# Altium PCB DigitalLabBoard_Y.PcbDoc (part 2 of 3)
Units mm, origin at the board's own origin, x right, y up, seen from the top; angles counter-clockwise.
Board outline 155 x 105 mm, 2 copper layers (Top Layer, Bottom Layer), stack 1.571 mm thick; 188 components, 184 nets, 771 pads, 878 vias.
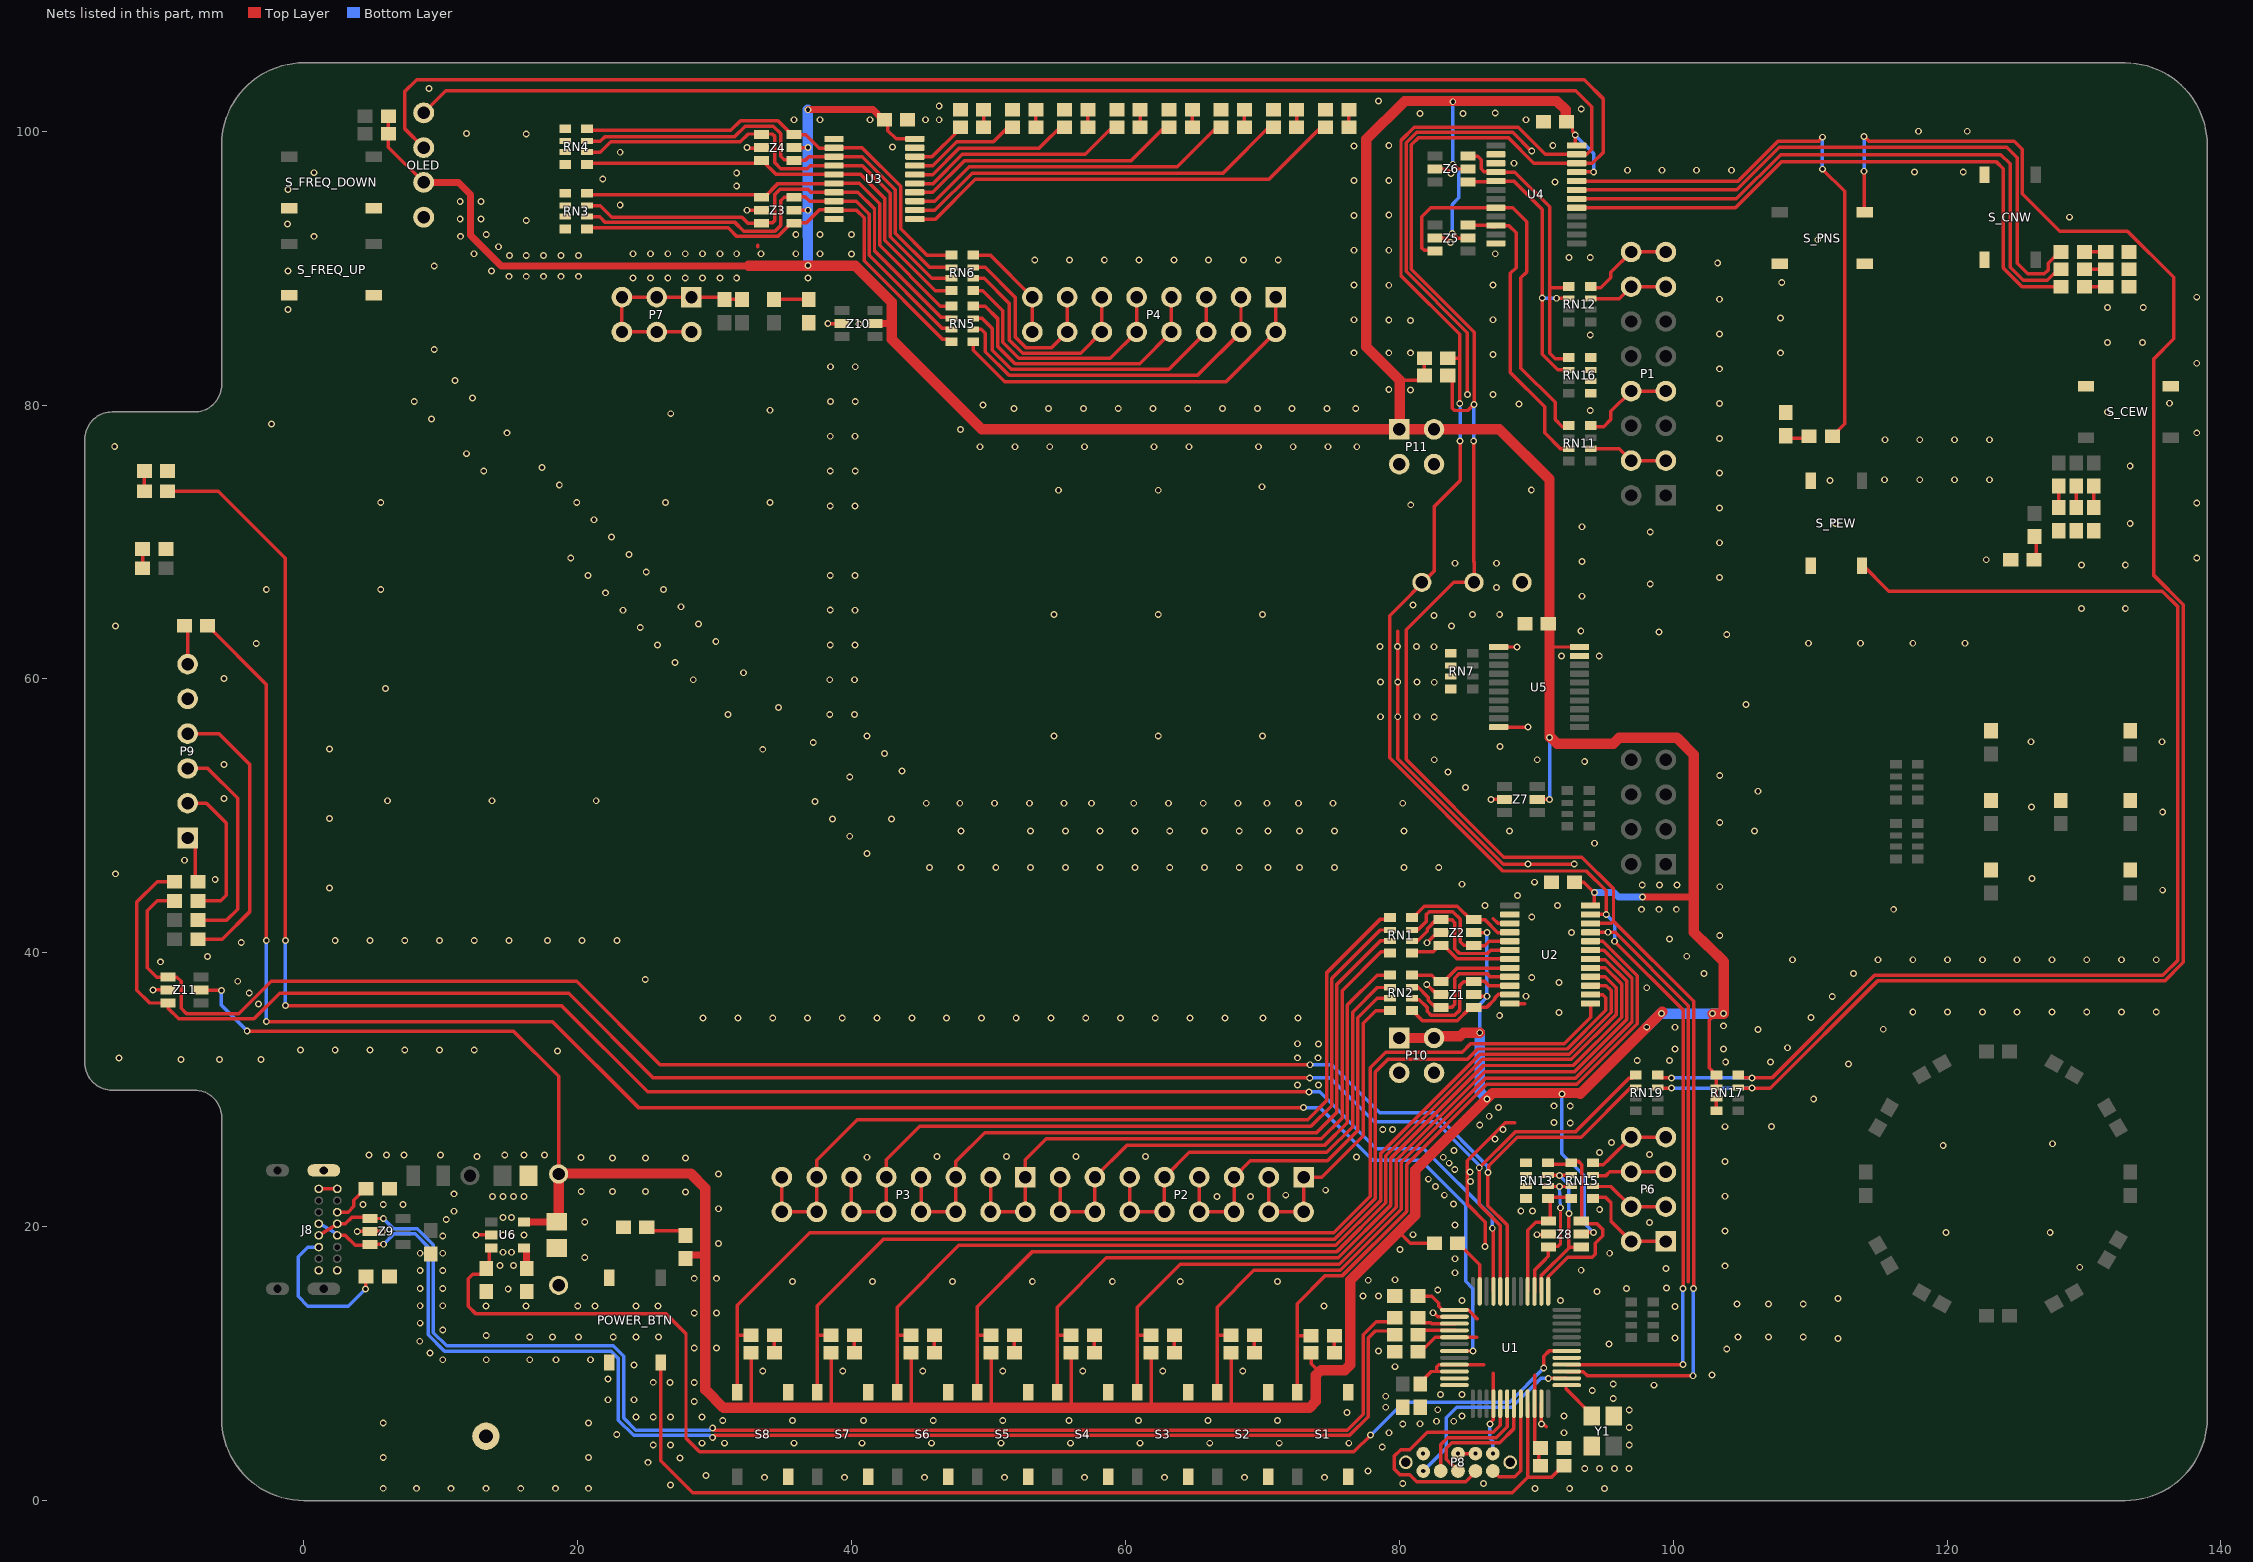
[diagram p2: the nets of this part, all layers, seen from the top]

## Via types
v1: diameter 0.5, hole 0.3, Top Layer to Bottom Layer, tented both sides, 873 vias
v2: diameter 0.5, hole 0.3, Top Layer to Bottom Layer, tented bottom, 5 vias

## Nets (pads, with @x,y where several pads share a name; then routed paths per layer and width w, separated by ;. In a path a pad name is that pad's centre, name@x,y a point inside that pad or via, vN(x,y) a via of type N, cw(c..) or ccw(c..) an arc to the next point about the centre after c; other vN are vias at no path point) (continued)
GND: C1.1 C2.1 C3.1 C4.1 C5.1 C6.1 C7.1 C8.1 C9.1 C10.1 C11.1 C12.1 C13.1 D17.K DIE_LED_A.K DIE_LED_B1.K DIE_LED_B2.K DIE_LED_C1.K DIE_LED_C2.K DIE_LED_D1.K DIE_LED_D2.K J8.A1 J8.A12 J8.B1 J8.B12 J8.P1 LED_0.K LED_1.K LED_2.K LED_3.K LED_4.K LED_5.K LED_6.K LED_7.K N1.1 OLED.1 P8.0 P8.3 P8.5 P8.9 P9.5 P10.3 P10.4 P11.3 P11.4 POWER_BTN.2 POWER_BTN.2b R20.1 R21.1 R22.1 R23.1 R24.1 R25.1 R26.1 R27.1 R29.2 R30.2 R32.2 R35.1 R39.1 R41.1 RN3.1 RN3.2 RN3.3 RN3.4 RN4.1 RN4.2 RN4.3 RN4.4 RN7.1 RN7.2 RN7.3 RN7.4 RN13.1 RN13.2 RN13.3 RN13.4 RN16.5 RN16.6 RN16.7 RN16.8 S1.1 S1.1b S2.1 S2.1b S3.1 S3.1b S4.1 S4.1b S5.1 S5.1b S6.1 S6.1b S7.1 S7.1b S8.1 S8.1b S_CEW.1 S_CEW.1b S_CNW.1 S_CNW.1b S_FREQ_DOWN.2 S_FREQ_DOWN.2b S_FREQ_UP.2 S_FREQ_UP.2b S_PEW.2 S_PEW.2b S_PNS.1 S_PNS.1b TP_Gnd1.1 TP_Gnd2.1 U1.2 U1.11 U1.12 U1.23 U2.2 U2.3 U2.12 U2.21 U3.1 U3.10 U3.19 U4.2 U4.3 U4.12 U5.1 U5.10 U5.19 U6.2 Y1.2 Y1.4 Z1.2 Z2.2 Z3.2 Z4.2 Z5.2 Z6.2 Z7.2 Z8.2 Z9.2 Z10.2 Z11.2 | length 123
  Top Layer w0.254: v1(-11.024,37.287) Z11.2@-9.912,37.287 ; J8.B12@1.086,22.761 J8.A1@2.435,22.761 ; v1(3.897,19.659) Z9.2@4.83,19.659 v1(5.751,19.659) ; v1(12.57,19.405) U6.2@13.523,19.405 ; POWER_BTN.2b@22.316,10.055 POWER_BTN.2b@22.316,10.082 POWER_BTN.2b@22.316,10.182 ; v1@32.523,98.761 Z4.2@33.38,98.761 ; v1@32.535,94.215 Z3.2@33.392,94.215 ; 33.132,91.566 33.132,91.693 ; v1(38.263,85.953) Z10.2@39.298,85.953 ; U3.10@38.267,93.594 U3.10@38.273,93.588 ; 79.898,63.499 79.898,54.185 87.602,46.481 v1(89.406,46.481) v1(92.771,46.481) ; v2(81.729,3.428) P8.9@81.939,3.428 ; v1(82.002,37.693) 82.016,37.693 82.753,36.956 Z1.2@83.021,36.956 ; v1(82.027,40.741) 82.027,40.756 82.753,41.481 Z2.2@83.037,41.481 Z2.2@83.134,41.481 ; v1(82.459,13.715) 82.526,13.715 82.807,13.434 U1.2@84.014,13.434 ; Z5.2@82.553,92.226 Z5.2@82.579,92.252 ; Z5.2@82.58,92.226 Z5.2@82.605,92.201 83.413,92.201 v1(83.729,91.885) ; Z6.2@82.643,97.243 83.452,97.243 v1(83.767,96.927) ; P8.5@84.349,3.419 84.34,3.428 v2(84.288,3.428) v2(85.558,3.428) ; v1(84.974,80.771) 84.974,85.292 80.503,89.763 80.503,99.166 81.26,99.923 88.275,99.923 89.639,98.559 v1(89.673,98.559) ; v1(86.269,18.565) 86.269,20.336 84.948,21.657 84.948,24.812 87.741,27.605 88.446,27.605 ; v1@86.777,51.21 Z7.2@87.673,51.21 ; 86.873,42.484 87.205,42.152 U2.3@88.069,42.152 ; U5.10@87.356,56.485 v1(89.406,56.485) ; U5.1@87.356,62.335 v1(88.592,62.335) ; U2.12@87.619,36.302 87.625,36.296 89.165,36.296 ; v1(90.048,19.416) Z8.2@90.64,19.416 ; U1.23@90.373,7.125 U1.23@90.373,7.075 90.362,5.768 90.739,5.39 ; U2.21@93.969,41.502 95.761,41.502 101.113,36.15 101.113,15.973
  other v1: 5.795,0.894 8.215,0.894 10.755,0.894 13.295,0.894 15.835,0.894 18.375,0.894 20.795,0.894 89.901,0.888 92.441,0.888 94.981,0.888 26.782,1.142 80.249,1.244 86.15,1.244 33.64,1.698 39.482,1.698 45.324,1.698 51.166,1.698 57.008,1.698 62.85,1.698 68.692,1.698 74.534,1.698 29.378,1.825 77.7,2.158 93.543,2.336 94.624,2.336 95.704,2.336 96.785,2.336 25.131,2.793 27.462,3.11 5.795,3.134 20.795,3.134 78.751,3.911 25.512,4.063 26.782,4.063 96.794,4.063 29.068,4.19 30.719,4.19 35.799,4.19 40.752,4.19 45.832,4.19 50.912,4.19 55.992,4.19 61.072,4.19 66.152,4.19 71.232,4.19 76.312,4.19 22.845,4.825 79.253,4.952 92.035,4.952 96.794,5.333 80.249,5.587 90.384,5.587 81.512,5.612 5.795,5.674 20.795,5.674 82.728,5.791 83.972,5.791 30.592,5.841 35.672,5.841 40.879,5.841 45.959,5.841 51.039,5.841 55.865,5.841 60.949,5.841 66.025,5.841 71.105,5.841 24.242,6.095 25.512,6.095 26.782,6.095 29.068,6.095 84.584,6.179 92.021,6.179 76.189,6.443 96.794,6.603 82.804,6.629 79.008,6.815 28.509,7.238 22.21,7.365 24.115,7.365 95.62,7.444 79.008,7.619 83.018,7.746 84.567,7.746 94.092,8.026 98.603,8.425 95.62,8.515 26.731,8.61 28.509,8.61 25.512,8.635 22.21,8.889 102.845,9.174 33.513,9.453 39.355,9.453 45.197,9.453 51.039,9.453 56.881,9.453 62.723,9.453 68.565,9.453 79.679,9.776 24.115,9.905 10.145,10.286 13.32,10.286 16.495,10.286 18.4,10.286 20.94,10.286 9.22,10.77 78.471,10.925 103.911,11.075 28.509,11.15 30.135,11.15 95.312,11.429 8.458,11.633 112.039,11.835 100.127,11.87 16.495,11.937 18.146,11.937 20.051,11.937 22.591,11.937 24.242,11.937 25.893,11.937 104.724,11.938 106.959,11.937 109.499,11.937 13.32,12.064 10.145,12.445 8.494,12.953 28.509,13.69 30.135,13.69 100.127,14.183 13.295,14.198 16.223,14.198 20,14.198 21.27,14.198 24.242,14.198 25.868,14.198 74.509,14.207 8.494,14.223 10.145,14.223 104.673,14.35 106.959,14.35 109.499,14.35 84.584,14.604 91.781,14.604 112.039,14.756 77.352,14.934 78.471,14.934 94.44,15.275 82.807,15.37 14.92,15.46 96.578,15.476 8.494,15.493 10.145,15.493 99.515,15.519 35.672,16.001 41.514,16.001 47.356,16.001 53.198,16.001 59.04,16.001 63.998,16.001 71.105,16.001 77.733,16.091 79.679,16.128 28.509,16.23 30.135,16.23 84.073,16.638 8.494,16.81 10.145,16.81 93.282,16.823 99.466,16.946 129.692,17.042 14.311,17.156 15.301,17.156 103.784,17.144 84.073,17.658 20.508,17.754 8.494,18.058 10.145,18.058 95.363,18.058 14.539,18.135 15.174,18.135 80.046,18.338 30.287,18.77 10.145,19.328 14.539,19.405 15.174,19.405 16.063,19.405 81.001,19.416 119.913,19.582 127.533,19.582 103.784,19.684 84.073,20.123 98.277,20.315 20.508,20.355 10.399,20.525 14.539,20.675 15.174,20.675 10.965,21.132 88.873,21.157 89.723,21.157 94.633,21.255 30.287,21.31 4.329,21.627 5.795,21.627 7.23,21.627 83.947,21.666 13.777,22.199 14.539,22.199 15.301,22.199 16.063,22.199 66.69,22.218 69.121,22.218 103.784,22.224 71.704,22.301 83.287,22.301 10.965,22.402 27.874,22.541 20.254,22.58 22.54,22.58 24.953,22.58 74.622,22.666 98.277,22.666 82.652,22.936 85.2,23.292 82.118,23.47 30.287,23.85 85.166,24.002 84.049,24.181 83.642,24.638 103.784,24.764 22.53,25.019 24.943,25.019 27.864,25.019 20.229,25.043 41.118,25.071 83.21,25.07 76.86,25.095 12.634,25.12 46.228,25.122 51.308,25.122 56.388,25.122 61.468,25.122 4.76,25.247 6.03,25.247 7.3,25.247 9.967,25.247 14.666,25.247 16.063,25.247 17.577,25.247 98.277,25.285 94.626,25.424 83.998,25.552 119.719,25.932 127.695,26.059 95.488,26.161 86.976,26.416 78.791,27.102 79.502,27.102 87.567,27.102 103.784,27.304 107.188,27.305 85.873,27.419 92.481,27.584 91.298,27.609 86.563,28.067 87.249,28.702 92.481,28.804 91.298,28.828 110.261,29.336 72.568,30.353 74.092,30.353 112.801,31.876 103.835,32.029 107.1,32.029 97.373,32.13 99.72,32.13 -8.966,32.207 -6.172,32.207 -3.124,32.207 -13.513,32.309 72.568,32.334 74.066,32.334 18.517,32.842 -0.254,32.893 2.286,32.893 4.826,32.893 7.366,32.893 9.906,32.893 12.446,32.893 100.127,32.977 103.683,32.977 108.356,33.071 72.568,33.358 74.092,33.35 106.197,34.389 115.341,34.416 100.127,34.569 103.683,34.671 29.159,35.23 31.699,35.23 34.239,35.23 36.779,35.23 39.319,35.23 41.859,35.23 44.399,35.23 46.939,35.23 49.479,35.23 52.019,35.23 54.559,35.23 57.099,35.23 59.639,35.23 62.179,35.23 64.719,35.23 67.259,35.23 70.053,35.23 72.593,35.23 110.058,35.281 87.33,35.427 91.658,35.655 117.5,35.686 120.04,35.686 122.58,35.686 125.12,35.686 127.66,35.686 130.2,35.686 132.74,35.686 135.28,35.686 -3.302,36.271 89.243,36.829 111.619,36.818 -3.988,37.059 98.07,37.453 91.654,37.845 -4.826,37.922 24.929,38.05 89.673,38.201 102.26,38.48 113.176,38.48 -10.465,39.345 108.712,39.496 114.96,39.496 117.5,39.496 120.04,39.496 122.58,39.496 125.12,39.496 127.66,39.496 130.2,39.496 132.74,39.496 135.28,39.496 -7.035,39.726 100.99,39.75 -4.572,40.762 2.286,40.894 4.826,40.894 7.366,40.894 9.906,40.894 12.446,40.894 14.986,40.894 17.78,40.894 20.32,40.894 22.86,40.894 99.72,41.02 103.403,41.274 92.569,41.477 95.235,41.503 89.673,42.62 97.688,43.179 98.958,43.179 100.228,43.179 116.103,43.179 86.269,43.458 91.553,43.452 88.631,44.195 135.748,44.576 1.88,44.729 103.403,44.83 97.739,44.957 99.009,44.957 100.279,44.957 84.567,45.006 89.876,45.16 -6.477,45.364 126.212,45.44 -13.767,45.771 45.696,46.227 47.991,46.227 50.531,46.227 53.071,46.227 55.611,46.227 58.151,46.227 60.691,46.227 63.231,46.227 65.771,46.227 68.311,46.227 70.419,46.227 72.717,46.227 75.257,46.227 80.337,46.227 82.877,46.227 -8.712,46.761 41.133,47.243 94.245,48.005 39.863,48.513 47.991,48.894 53.071,48.894 55.611,48.894 58.151,48.894 60.691,48.894 63.231,48.894 65.771,48.894 68.311,48.894 70.419,48.894 72.717,48.894 75.257,48.894 80.337,48.894 88.047,48.894 105.943,48.894 103.403,49.529 38.593,49.783 42.911,49.783 1.88,49.809 135.748,50.291 126.162,50.647 45.451,50.926 47.903,50.926 50.443,50.926 52.983,50.926 55.523,50.926 57.531,50.927 60.603,50.926 63.143,50.926 65.683,50.926 68.223,50.926 70.331,50.926 72.629,50.926 75.169,50.926 80.249,50.926 37.323,51.053 6.107,51.104 13.727,51.104 21.347,51.104 86.701,51.205 -5.842,51.283 106.197,51.801 84.821,52.069 39.863,52.831 103.403,52.958 83.551,53.212 43.673,53.288 -5.842,53.748 93.537,53.963 82.553,54.101 90.073,54.101 42.403,54.558 33.513,54.863 1.88,54.889 87.356,55.074 37.196,55.371 126.136,55.417 135.709,55.417 41.133,55.828 54.773,55.828 62.393,55.828 70.013,55.828 82.553,57.219 78.616,57.24 79.886,57.24 81.283,57.24 30.973,57.403 40.208,57.404 38.405,57.416 34.656,57.911 105.308,58.124 5.969,59.309 82.553,59.759 78.616,59.78 79.886,59.78 81.283,59.78 28.433,59.943 38.405,59.944 40.208,59.944 -5.842,60.046 32.116,60.451 27.107,61.213 91.831,61.685 94.602,61.685 82.535,62.356 78.598,62.377 79.868,62.377 81.265,62.377 25.837,62.483 38.441,62.483 40.244,62.483 -3.48,62.586 109.88,62.61 113.69,62.61 117.5,62.61 121.31,62.61 30.084,62.737 103.911,63.245 98.958,63.424 93.255,63.499 24.567,63.753 -13.767,63.881 83.805,63.88 28.814,64.007 82.535,64.642 54.773,64.718 62.393,64.718 70.013,64.718 85.355,64.718 87.33,64.718 23.297,65.023 38.441,65.035 40.244,65.023 129.819,65.15 133.02,65.15 27.544,65.277 81.011,65.404 93.33,66.039 22.027,66.293 -2.743,66.547 5.613,66.547 26.274,66.547 87.107,66.674 98.323,66.928 103.378,67.411 20.757,67.563 38.441,67.563 40.244,67.563 25.004,67.817 129.819,68.325 133.02,68.325 84.059,68.452 87.107,68.452 93.33,68.579 122.864,68.706 19.487,68.833 138.237,68.833 23.734,69.087 103.378,69.951 22.464,70.357 98.323,70.738 93.33,71.119 111.861,71.348 133.375,71.348 21.194,71.627 103.378,72.491 38.441,72.643 40.244,72.643 80.833,72.719 138.237,72.858 5.613,72.898 19.924,72.897 26.41,72.897 34.03,72.897 55.103,73.786 62.393,73.786 89.639,73.789 69.962,74.04 18.654,74.167 111.455,74.497 115.43,74.548 118.008,74.548 120.548,74.548 123.088,74.548 103.378,75.031 13.137,75.183 38.441,75.183 40.27,75.183 17.384,75.437 133.375,75.564 11.867,76.453 49.388,76.961 51.928,76.961 54.468,76.961 57.008,76.961 62.088,76.961 64.628,76.961 69.708,76.961 72.248,76.961 74.788,76.961 76.896,76.961 -13.818,76.987 115.468,77.469 118.008,77.469 120.548,77.469 123.088,77.469 103.378,77.571 38.441,77.723 40.244,77.723 14.844,77.977 138.237,77.977 47.942,78.231 -2.362,78.613 9.327,78.993 26.791,79.374 131.724,79.501 93.94,79.607 34.03,79.628 51.852,79.755 54.392,79.755 56.932,79.755 59.472,79.755 62.012,79.755 64.552,79.755 67.092,79.755 69.632,79.755 72.172,79.755 74.712,79.755 76.82,79.755 49.589,80.009 88.737,80.08 103.378,80.111 136.248,80.136 8.057,80.263 38.466,80.263 40.27,80.263 12.304,80.517 86.853,80.771 80.808,81.101 79.233,81.131 11.034,81.787 103.378,82.651 38.466,82.803 40.27,82.803 138.237,83.057 86.853,83.692 76.693,83.819 79.233,83.819 80.808,83.819 107.848,83.819 9.521,84.073 131.724,84.581 134.264,84.581 93.94,85.111 103.378,85.191 40.549,85.927 80.808,86.181 79.233,86.211 76.693,86.232 86.853,86.232 107.848,86.359 -1.158,86.994 131.724,87.121 134.33,87.121 103.378,87.731 138.237,87.883 79.233,88.751 76.693,88.772 86.853,88.772 107.925,88.95 24.039,89.28 25.309,89.28 26.579,89.28 27.849,89.28 29.119,89.28 30.389,89.28 31.608,89.28 36.815,89.28 14.971,89.407 16.241,89.407 17.511,89.407 18.781,89.407 20.051,89.407 -1.158,89.788 13.701,89.788 9.521,90.169 103.251,90.372 53.376,90.586 55.916,90.586 58.456,90.586 60.996,90.586 63.536,90.586 66.076,90.586 68.616,90.586 71.156,90.586 92.38,90.779 93.94,90.779 15.004,90.929 16.241,90.931 17.511,90.931 18.781,90.931 20.051,90.931 39.99,91.037 12.431,91.058 24.039,91.058 25.309,91.058 26.579,91.058 27.849,91.058 29.119,91.058 30.389,91.058 31.608,91.058 33.386,91.058 35.926,91.058 37.704,91.058 87.006,91.058 76.693,91.312 79.233,91.312 14.209,91.566 110.558,92.077 0.747,92.328 11.441,92.328 13.32,92.455 35.926,92.455 37.704,92.455 39.99,92.455 -1.188,93.217 16.241,93.471 11.415,93.598 12.939,93.598 128.956,93.725 76.693,93.852 79.233,93.873 32.37,94.233 23.099,94.614 11.415,94.868 12.939,94.868 -1.158,95.742 31.608,96.011 91.362,96.29 76.693,96.392 79.233,96.413 21.829,96.519 31.608,96.946 0.747,96.974 117.627,97.027 121.183,97.015 96.672,97.152 99.172,97.154 101.712,97.154 104.252,97.154 88.377,97.663 23.099,98.47 32.37,98.805 42.987,98.856 76.693,98.932 79.233,98.953 91.21,98.965 16.241,99.799 11.867,99.836 117.917,99.999 121.473,99.999 35.799,100.837 37.704,100.837 41.336,100.837 45.404,100.837 46.397,100.837 89.258,100.837 81.519,101.286 84.643,101.294 87.006,101.345 93.285,101.635 46.397,101.853 78.471,102.209 9.129,103.123
LED_D0: R11.2 U3.11 | length 33.1
  Top Layer w0.254: U3.11@44.39,93.582 46.124,93.582 49.031,96.489 70.48,96.489 R11.2@74.573,100.583
LED_D1: R12.2 U3.12 | length 29
  Top Layer w0.254: U3.12@44.39,94.232 46.084,94.232 48.798,96.946 67.127,96.946 R12.2@70.763,100.583
LED_D2: R13.2 U3.13 | length 25.1
  Top Layer w0.254: U3.13@44.185,94.894 U3.13@44.617,94.894 46.074,94.894 48.584,97.404 63.774,97.404 R13.2@66.953,100.583
LED_D3: R14.2 U3.14 | length 20.6
  Top Layer w0.254: U3.14@44.644,95.532 45.936,95.532 48.265,97.861 60.421,97.861 R14.2@63.143,100.583
LED_D4: R15.2 U3.15 | length 16.5
  Top Layer w0.254: U3.15@44.644,96.182 45.951,96.182 48.087,98.318 57.068,98.318 R15.2@59.333,100.583
LED_D5: R16.2 U3.16 | length 12.4
  Top Layer w0.254: U3.16@44.644,96.832 45.915,96.832 47.858,98.775 53.716,98.775 R16.2@55.523,100.583
LED_D6: R17.2 U3.17 | length 8.4
  Top Layer w0.254: U3.17@44.644,97.482 45.915,97.482 47.665,99.232 50.363,99.232 R17.2@51.713,100.583
LED_D7: R18.2 U3.18 | length 4.3
  Top Layer w0.254: U3.18@44.644,98.132 45.869,98.132 47.74,100.003 47.74,100.101 R18.2@47.942,100.303
LED_I0: P4.1 P4.2 RN5.5 | length 27.6
  Top Layer w0.254: RN5.5@48.893,84.627 48.893,84.005 51.187,81.711 67.346,81.711 P4.2@70.978,85.343 70.978,87.629 P4.1@70.851,87.756
LED_I1: P4.3 P4.4 RN5.6 | length 25.5
  Top Layer w0.254: RN5.6@48.893,85.527 49.482,85.527 49.758,85.251 49.758,83.906 51.496,82.168 65.263,82.168 P4.4@68.438,85.343 68.438,87.629 P4.3@68.311,87.756
LED_I2: P4.5 P4.6 RN5.7 | length 23.1
  Top Layer w0.254: RN5.7@48.893,86.327 49.544,86.327 50.277,85.594 50.277,83.997 51.649,82.625 63.18,82.625 P4.6@65.898,85.343 65.898,87.629 P4.5@65.771,87.756
LED_I3: P4.7 P4.8 RN5.8 | length 20.6
  Top Layer w0.254: RN5.8@48.893,87.227 48.913,87.206 48.934,87.227 49.758,87.227 50.658,86.327 50.658,84.309 51.935,83.032 61.047,83.032 P4.8@63.358,85.343 P4.7@63.358,87.629
LED_I4: P4.9 P4.10 RN6.5 | length 18.6
  Top Layer w0.254: RN6.5@48.893,88.361 49.581,88.361 51.039,86.903 51.039,84.581 52.208,83.413 58.888,83.413 P4.10@60.818,85.343 60.818,87.629 P4.9@60.691,87.756
LED_I5: P4.11 P4.12 RN6.6 | length 16.3
  Top Layer w0.254: RN6.6@48.893,89.261 49.675,89.261 51.496,87.439 51.496,84.784 52.487,83.794 56.729,83.794 P4.12@58.278,85.343 P4.11@58.278,87.756
LED_I6: P4.13 P4.14 RN6.7 | length 13.9
  Top Layer w0.254: RN6.7@48.893,90.061 49.75,90.061 51.935,87.876 51.935,84.98 52.741,84.175 54.57,84.175 P4.14@55.738,85.343 55.738,87.629 P4.13@55.611,87.756
LED_I7: P4.15 P4.16 RN6.8 | length 8.4
  Top Layer w0.254: RN6.8@48.613,91.037 RN6.8@48.893,91.037 ; RN6.8@48.893,90.961 50.12,90.961 P4.15@53.198,87.883 P4.16@53.198,85.343
LED_IR0: RN3.5 RN5.4 U3.9 Z3.4 | length 33.2
  Top Layer w0.254: RN3.5@20.757,92.957 30.979,92.957 31.619,92.318 34.61,92.318 35.594,93.301 36.696,93.301 37.646,94.251 38.92,94.251 38.928,94.244 40.36,94.244 40.911,93.693 40.911,90.544 46.63,84.825 RN5.4@47.095,84.825
LED_IR1: RN3.6 RN5.3 U3.8 Z3.6 | length 34.5
  Top Layer w0.254: RN3.6@20.757,93.757 21.594,93.757 22.013,93.338 31.487,93.338 32.121,92.704 34.405,92.704 34.822,93.121 34.822,94.926 35.083,95.187 35.804,95.187 35.819,95.201 36.62,95.201 36.941,94.881 U3.8@38.549,94.881 ; U3.8@38.803,94.881 38.817,94.894 40.345,94.894 41.292,93.947 41.292,90.931 46.598,85.625 RN5.3@47.195,85.625
LED_IR2: RN3.7 RN5.2 U3.7 Z3.3 | length 34.3
  Top Layer w0.254: RN3.7@20.757,94.557 21.632,94.557 22.47,93.719 31.995,93.719 32.416,93.298 Z3.3@33.177,93.298 ; Z3.3@33.419,93.301 34.206,93.301 34.402,93.498 34.402,95.403 34.78,95.78 36.798,95.78 37.048,95.531 U3.7@38.449,95.531 ; U3.7@38.703,95.531 U3.7@38.717,95.544 ; U3.7@38.817,95.544 40.457,95.544 41.673,94.328 41.673,91.28 46.528,86.425 47.195,86.425 RN5.2@47.293,86.327
LED_IR3: RN3.8 RN5.1 U3.6 Z3.1 | length 31.9
  Top Layer w0.254: RN3.8@20.757,95.357 Z3.1@33.234,95.357 ; Z3.1@33.488,95.357 33.644,95.201 34.624,96.182 U3.6@38.45,96.182 ; U3.6@38.704,96.182 U3.6@38.717,96.194 ; U3.6@38.817,96.194 40.569,96.194 42.054,94.709 42.054,91.661 46.487,87.228 RN5.1@47.293,87.227 RN5.1@47.293,87.227
LED_IR4: RN4.5 RN6.4 U3.5 Z4.3 | length 32.2
  Top Layer w0.254: RN4.5@20.757,97.67 32.835,97.67 ; Z4.3@33.089,97.67 33.315,97.896 Z4.3@33.431,97.896 ; Z4.3@33.431,97.899 Z4.3@33.431,97.896 ; Z4.3@33.756,97.896 Z4.3@33.431,97.896 ; U3.5@38.463,96.844 34.483,96.844 Z4.3@33.431,97.896 ; U3.5@38.717,96.844 40.681,96.844 42.435,95.09 42.435,92.042 46.116,88.361 RN6.4@47.293,88.361
LED_IR5: RN4.6 RN6.3 U3.4 Z4.1 | length 34.4
  Top Layer w0.254: RN4.6@20.757,98.47 21.647,98.47 22.411,99.234 31.881,99.234 32.446,99.799 34.218,99.799 34.402,99.615 34.402,97.708 34.834,97.276 36.766,97.276 36.984,97.494 U3.4@38.463,97.494 ; U3.4@38.717,97.494 40.793,97.494 42.816,95.471 42.816,92.296 45.851,89.261 RN6.3@47.293,89.261
LED_IR6: RN4.7 RN6.2 U3.3 Z4.4 | length 33.9
  Top Layer w0.254: RN4.7@20.757,99.27 21.656,99.27 22.001,99.615 31.457,99.615 32.22,100.378 34.292,100.378 34.834,99.836 34.834,98.175 35.095,97.914 35.817,97.914 35.831,97.899 36.632,97.899 36.877,98.144 U3.3@38.463,98.144 ; U3.3@38.817,98.144 40.778,98.144 43.197,95.725 43.197,92.55 45.686,90.061 RN6.2@47.293,90.061
LED_IR7: RN4.8 RN6.1 U3.2 Z4.6 | length 32.5
  Top Layer w0.254: RN4.8@20.757,100.07 31.18,100.07 31.889,100.78 34.625,100.78 Z4.6@35.606,99.799 ; Z4.6@35.805,99.755 36.653,99.755 37.634,98.773 38.696,98.773 U3.2@38.717,98.794 40.763,98.794 43.578,95.979 43.578,92.869 45.486,90.961 RN6.1@47.293,90.961
NetC12_2: C12.2 U6.4 | length 1.7
  Top Layer w0.508: U6.4@16.27,18.455 C12.2@16.27,16.953 16.27,16.746 C12.2@16.278,16.738
NetC14_1: C14.1 P7.1 P7.2 P7.3 P7.4 P7.5 P7.6 R36.1 | length 17
  Top Layer w0.254: P7.5@23.297,87.883 P7.5@23.531,87.883 ; P7.5@23.649,87.794 P7.5@23.649,87.844 ; P7.2@28.611,85.343 P7.2@28.306,85.343 P7.4@25.766,85.343 P7.6@23.226,85.343 23.226,87.489 23.62,87.883 P7.3@25.766,87.883 P7.1@28.306,87.883 C14.1@30.846,87.883 ; C14.1@30.592,87.717 C14.1@30.846,87.717 ; C14.1@30.719,87.717 R36.1@31.862,87.717
NetD1_A: D1.A R10.1 | length 1.5
  Top Layer w0.254: R10.1@75.257,10.52 D1.A@75.257,12.044
NetD2_A: D2.A R9.1 | length 1.5
  Top Layer w0.254: R9.1@69.415,10.54 D2.A@69.415,12.064
NetD3_A: D3.A R8.1 | length 1.5
  Top Layer w0.254: R8.1@63.573,10.54 D3.A@63.573,12.064
NetD4_A: D4.A R7.1 | length 1.5
  Top Layer w0.254: R7.1@57.731,10.54 D4.A@57.731,12.064
NetD5_A: D5.A R6.1 | length 1.5
  Top Layer w0.254: R6.1@51.889,10.54 D5.A@51.889,12.064
NetD6_A: D6.A R5.1 | length 1.5
  Top Layer w0.254: R5.1@46.047,10.523 D6.A@46.047,12.064
NetD7_A: D7.A R4.1 | length 1.5
  Top Layer w0.254: R4.1@40.205,10.54 D7.A@40.205,12.064
NetD8_A: D8.A R3.1 | length 1.5
  Top Layer w0.254: R3.1@34.363,10.54 D8.A@34.363,12.064
NetD17_A: D17.A R19.1 | length 2.9
  Top Layer w0.254: D17.A@24.934,19.717 R19.1@27.799,19.717
NetD_AEW_K: D_AEW.K R21.2 | length 1.3
  Top Layer w0.254: R21.2@129.438,72.731 D_AEW.K@129.438,74.079
NetD_ANS_K: D_ANS.K R25.2 | length 1.6
  Top Layer w0.254: D_ANS.K@130.034,89.915 R25.2@131.59,89.915
NetD_CLOCK_K: D_CLOCK.K R32.1 | length 2.6
  Top Layer w0.254: D_CLOCK.K@34.326,87.717 36.739,87.717 R32.1@36.866,87.59
NetD_Fail_K: D_Fail.K R41.2 | length 1.4